# Altium PCB FMC_ADC_128CH_10B.PcbDoc (part 10 of 14) (continued)
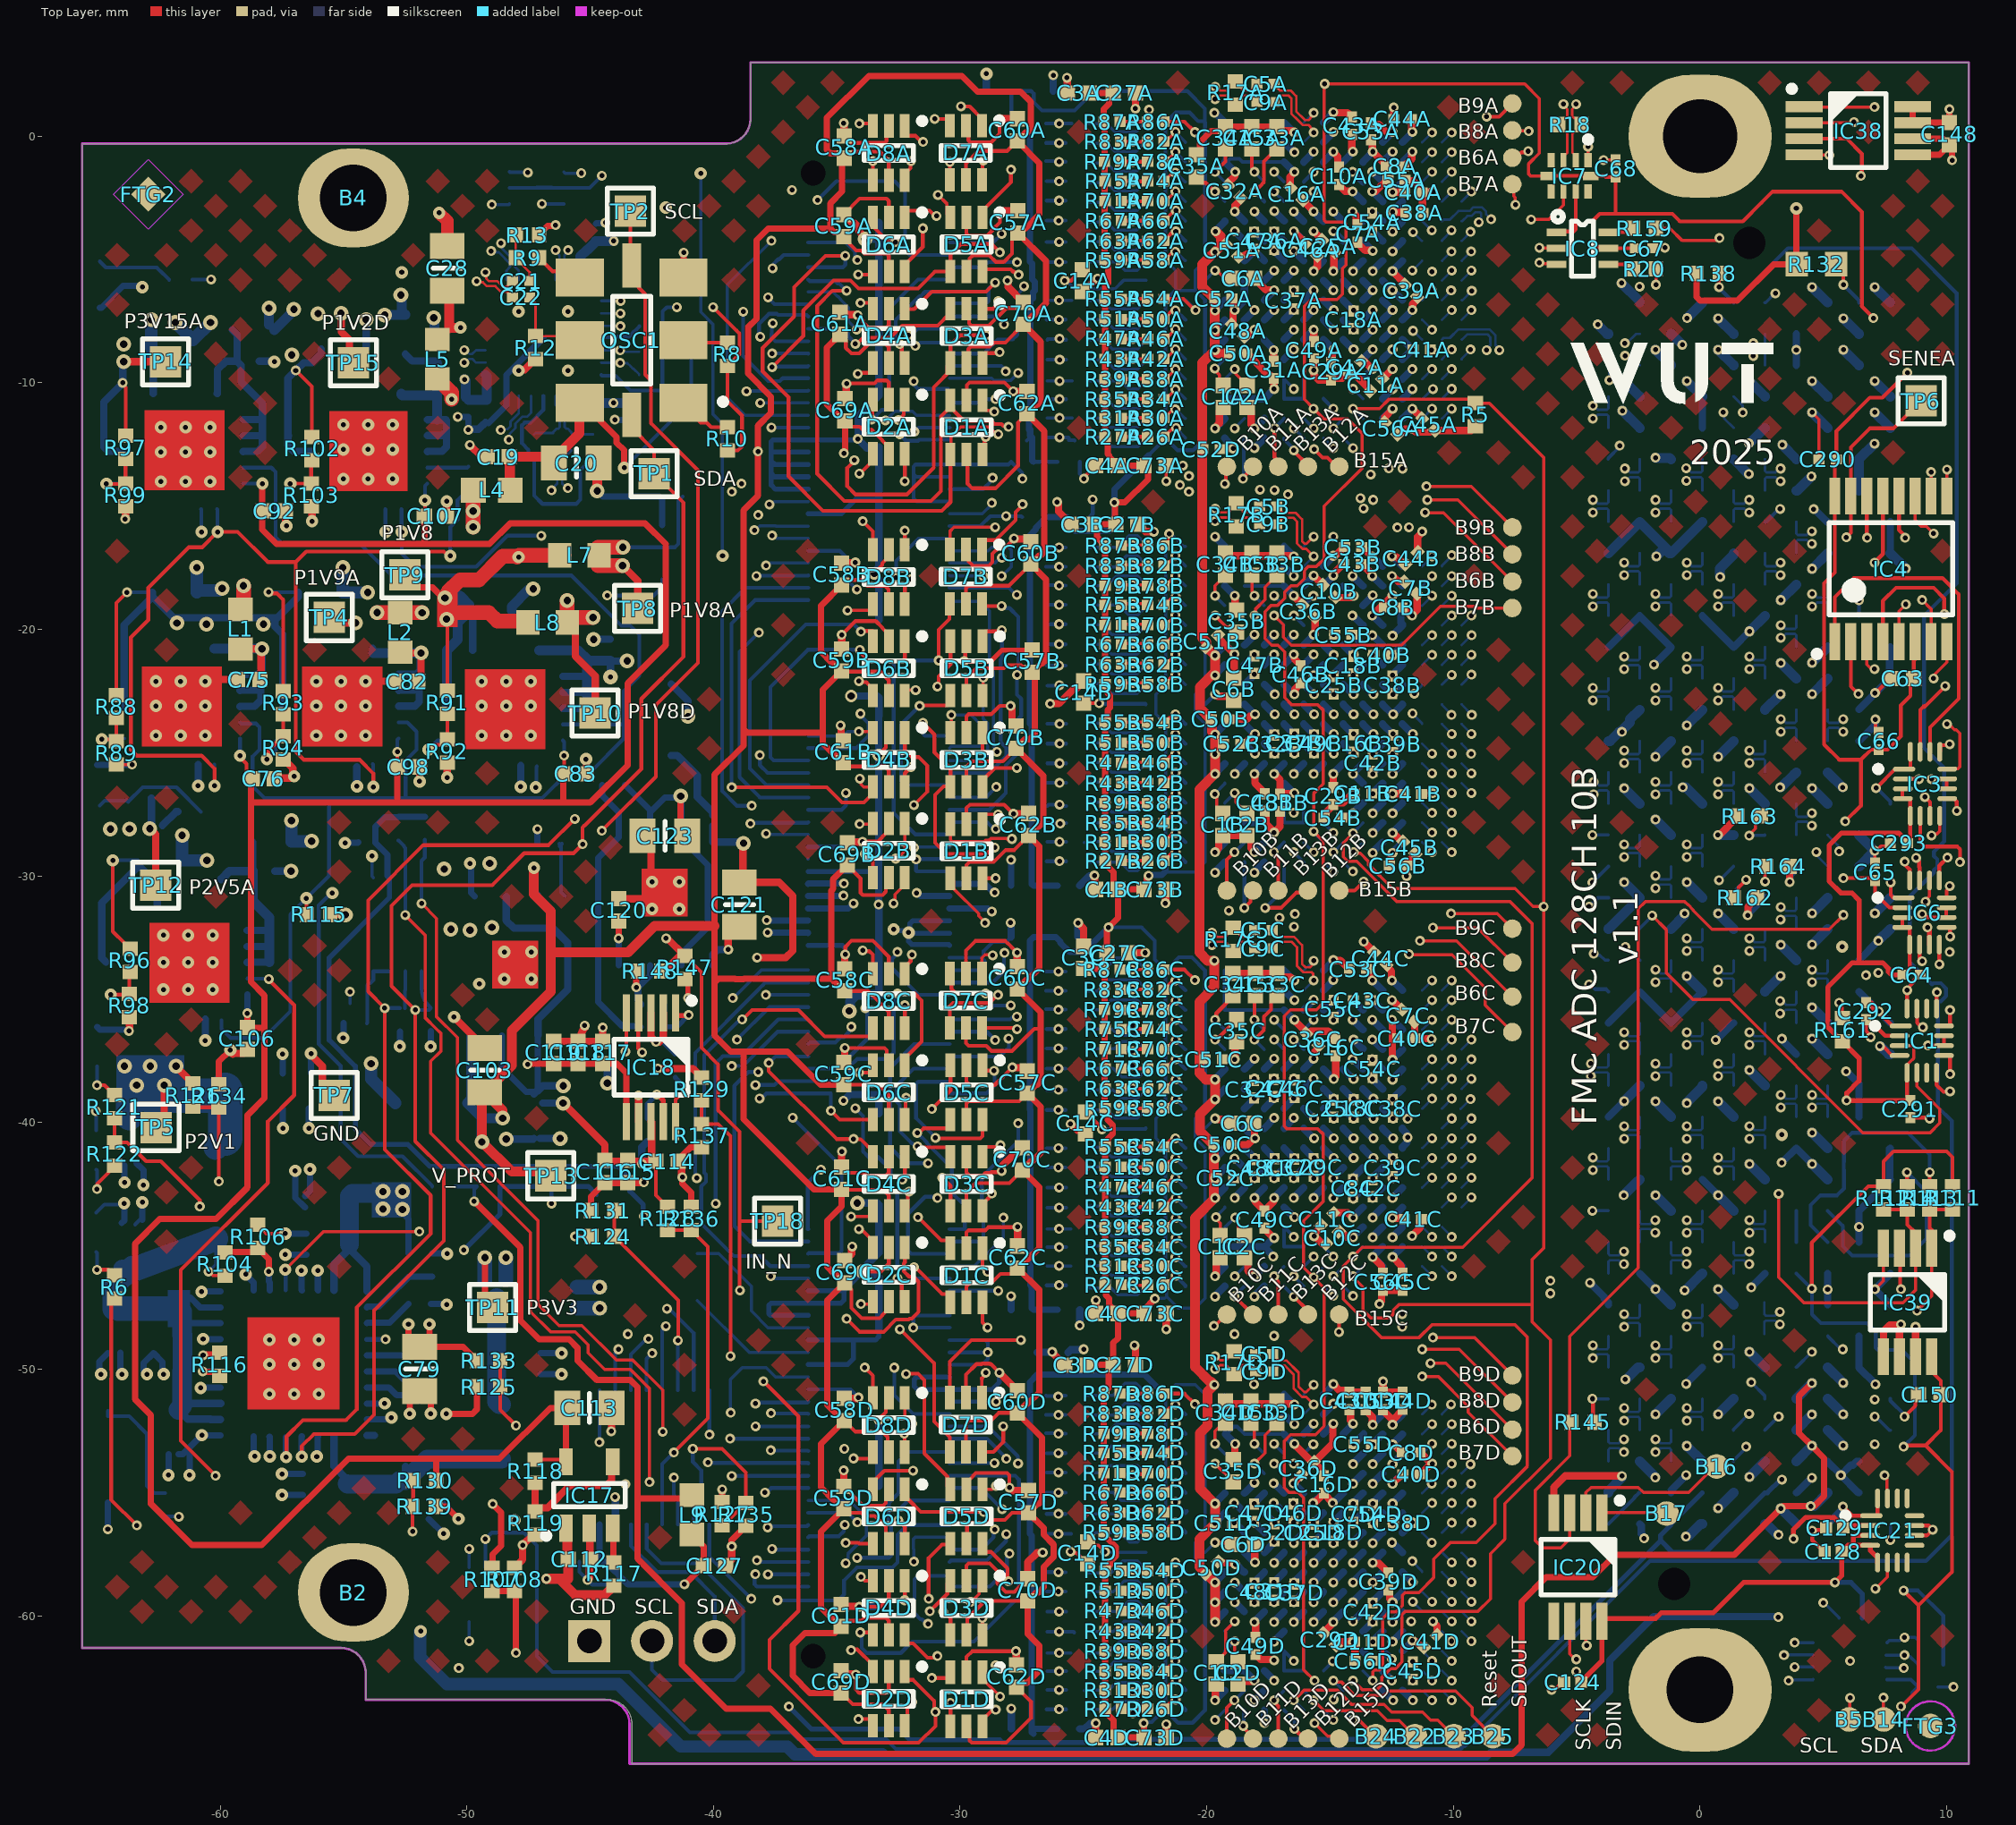
[diagram p0: Top Layer view]
## Nets (pads, with @x,y where several pads share a name; then routed paths per layer and width w, separated by ;. In a path a pad name is that pad's centre, name@x,y a point inside that pad or via, vN(x,y) a via of type N, cw(c..) or ccw(c..) an arc to the next point about the centre after c; other vN are vias at no path point) (continued)
  Int6 (Sign) w0.127: v1(-28.556,-62.005) -27.779,-62.005 -26.858,-61.084 -24.254,-61.084 v1(-23.002,-59.832)
  Bottom Layer w0.152: v1(-40.225,-53.775) -40.205,-53.795 -36.178,-53.795 J1.160@-36.158,-53.815
INP108: D4D.4 J1.161 R48D.1 R49D.1 | length 26
  Top Layer w0.152: v1(-34.05,-60.671) -33.644,-60.671 D4D.4@-33.54,-60.775
  Int3 (Sign) w0.127: v1(-34.05,-60.671) -33.206,-59.828 -33.206,-59.609 -32.415,-58.818 -30.156,-58.818 -29.961,-59.012 v1(-26.011,-59.012)
  Bottom Layer w0.152: v1(-34.05,-60.671) -33.994,-60.727 -33.994,-61.296 -33.786,-61.504 -32.401,-61.504 -31.944,-61.048 -29.435,-61.048 -27.616,-59.229 -27.616,-54.468 -27.769,-54.315 J1.161@-30.428,-54.315 ; R48D.1@-26.489,-59.015 -26.117,-59.015 R49D.1@-25.727,-59.015
INP109: D3D.4 J1.162 R50D.2 R51D.1 | length 25.1
  Top Layer w0.152: v1(-30.686,-59.828) -30.633,-59.828 -30.39,-60.072 D3D.4@-30.39,-60.775 ; R51D.1@-23.481,-58.99 -23.467,-58.976 -23.013,-58.976 v1(-23,-58.963) ; v1@-23,-58.913 -22.937,-58.976 -22.412,-58.976 R50D.2@-22.399,-58.99
  Int1 (Sign) w0.127: v1(-30.686,-59.828) -29.408,-59.828 -29.293,-59.714 -27.241,-59.714 -26.166,-58.638 -23.325,-58.638 v1(-23,-58.963)
  Int4 (Sign) w0.127: v1(-39.258,-54.328) -37.873,-54.328 -34.789,-57.413 -34.473,-57.413 -34.33,-57.27 -33.51,-57.27 -32.365,-58.416 -31.23,-58.416 -30.686,-58.96 v1(-30.686,-59.828)
  Bottom Layer w0.152: v1(-39.258,-54.328) -39.252,-54.322 -36.165,-54.322 J1.162@-36.158,-54.315
INP110: D4D.3 J1.163 R52D.1 R53D.1 | length 21.1
  Top Layer w0.152: v1(-34.017,-58.416) -33.857,-58.575 D4D.3@-33.54,-58.575
  Int3 (Sign) w0.127: v1(-34.017,-58.416) -32.888,-57.287 -31.439,-57.287 -31.054,-57.673 -28.472,-57.673 -27.921,-58.225 v1(-26.011,-58.225)
  Int6 (Sign) w0.127: v1(-34.017,-58.416) -32.686,-57.085 -27.999,-57.085 -27.65,-56.736 -27.65,-56.312 v1(-28.295,-55.668)
  Bottom Layer w0.152: J1.163@-30.428,-54.815 -29.147,-54.815 v1(-28.295,-55.668) ; R52D.1@-26.489,-58.228 -26.487,-58.226 -26.013,-58.226 v1(-26.011,-58.225) ; v1@-26.011,-58.228 R53D.1@-25.727,-58.228
INP111: D3D.3 J1.164 R54D.2 R55D.1 | length 24.7
  Top Layer w0.152: v1(-31.23,-59.813) -30.873,-59.457 -30.514,-59.097 -30.514,-58.699 D3D.3@-30.39,-58.575 ; R55D.1@-23.462,-58.177 -23.444,-58.159 -23.013,-58.159 v1(-22.996,-58.142) ; v1@-22.988,-58.109 -22.938,-58.159 -22.416,-58.159 R54D.2@-22.399,-58.177
  Int4 (Sign) w0.127: v1(-37.912,-54.999) -38.533,-55.62 -38.533,-56.908 -36.943,-58.498 -35.951,-58.498 -34.361,-60.087 -32.955,-60.087 -32.681,-59.813 v1(-31.23,-59.813)
  Int6 (Sign) w0.127: v1@-31.294,-59.813 v1(-31.23,-59.813) -29.365,-57.949 -26.644,-57.949 -26.461,-57.766 -24.768,-57.766 -24.354,-58.18 -23.033,-58.18 v1(-22.996,-58.142)
  Bottom Layer w0.152: v1(-37.912,-54.999) -37.845,-54.999 -37.661,-54.815 J1.164@-36.158,-54.815
INP112: D6D.6 J1.165 R56D.1 R57D.1 | length 11.7
  Top Layer w0.152: v1(-32.503,-56.121) -32.24,-56.385 D6D.6@-32.24,-57.067
  Int3 (Sign) w0.127: v1(-32.503,-56.121) -30.027,-56.121 -29.092,-57.056 -26.807,-57.056 ; -26.807,-57.055 -26.497,-57.055 ; -26.497,-57.056 -26.392,-57.056 v1(-26.011,-56.675)
  Bottom Layer w0.152: v1(-32.503,-56.121) -32.503,-55.717 -32.106,-55.32 -30.433,-55.32 J1.165@-30.428,-55.315 ; R56D.1@-26.489,-56.678 -26.487,-56.677 v1(-26.011,-56.675) ; v1(-26.011,-56.675) -26.009,-56.677 -25.502,-56.677 R57D.1@-25.5,-56.675
INP113: D5D.6 J1.166 R58D.2 R59D.1 | length 22.8
  Top Layer w0.152: D5D.6@-29.09,-57.067 -29.09,-57.283 -28.966,-57.406 -28.751,-57.406 -28.081,-58.076 -28.081,-58.554 v1(-28.033,-58.601) ; R59D.1@-23.512,-56.602 v1(-23.013,-56.602) R58D.2@-22.399,-56.602
  Int3 (Sign) w0.127: v1@-28.033,-58.625 -28.009,-58.601 -25.86,-58.601 -23.863,-56.605 -23.016,-56.605 v1(-23.013,-56.602)
  Int6 (Sign) w0.127: v1(-34.634,-57.867) -34.634,-58.327 -32.269,-60.692 -30.307,-60.692 -29.329,-59.714 -29.146,-59.714 v1(-28.033,-58.601)
  Bottom Layer w0.127: J1.166@-36.158,-55.315 -34.492,-55.315 -33.791,-56.016 -33.791,-56.731 -34.549,-57.489 -34.549,-57.656 -34.582,-57.689 -34.582,-57.815 v1(-34.634,-57.867)
INP114: D6D.1 J1.167 R60D.1 R61D.1 | length 9.2
  Top Layer w0.152: D6D.1@-32.24,-54.867 -32.24,-55.142 -32.116,-55.266 -32.113,-55.266 -31.596,-55.783 v1(-29.042,-55.783)
  Int3 (Sign) w0.127: v1(-29.042,-55.783) -28.707,-55.783 -28.294,-56.196 -26.345,-56.196 v1(-26.011,-55.862)
  Bottom Layer w0.152: J1.167@-30.428,-55.815 -30.412,-55.799 -29.057,-55.799 v1(-29.042,-55.783) ; R60D.1@-26.489,-55.865 R61D.1@-25.727,-55.865
INP115: D5D.1 J1.168 R62D.2 R63D.1 | length 16.3
  Top Layer w0.127: D5D.1@-29.09,-54.867 -28.693,-54.867 -28.618,-54.791 -28.604,-54.791 v1(-28.545,-54.732)
  Top Layer w0.152: R63D.1@-23.462,-55.815 -23.382,-55.735 -23.08,-55.735 v1(-23.033,-55.688) ; v1@-23.033,-55.675 -22.972,-55.735 -22.478,-55.735 R62D.2@-22.399,-55.815
  Int3 (Sign) w0.127: v1(-34.164,-56.208) -32.689,-54.732 v1(-28.545,-54.732)
  Int6 (Sign) w0.127: v1(-28.545,-54.732) -28.24,-54.427 -27.455,-54.427 -26.434,-55.448 -23.345,-55.448 -23.105,-55.688 v1(-23.033,-55.688)
  Bottom Layer w0.152: J1.168@-36.158,-55.815 -34.557,-55.815 v1(-34.164,-56.208)
INP116: D6D.4 J1.169 R64D.1 R65D.1 | length 24.3
  Top Layer w0.152: v1(-34.634,-57.039) -34.114,-57.039 -34.086,-57.067 D6D.4@-33.54,-57.067
  Int3 (Sign) w0.127: v1(-37.4,-59.366) -36.96,-59.366 -34.582,-56.987 -34.273,-56.987 -32.459,-55.173 -28.491,-55.173 -28.489,-55.174 -26.222,-55.174 -26.046,-54.999 v1(-26.011,-54.999)
  Bottom Layer w0.152: v1(-37.4,-59.366) -37.388,-59.378 -34.953,-59.378 -34.703,-59.127 -34.703,-58.556 -34.177,-58.03 -32.737,-58.03 -32.536,-57.829 -32.536,-56.706 -32.145,-56.315 J1.169@-30.428,-56.315 ; R64D.1@-26.489,-55.002 -26.117,-55.002 R65D.1@-25.727,-55.002
INP117: D5D.4 J1.170 R66D.2 R67D.1 | length 23.9
  Top Layer w0.152: v1(-31.274,-59.305) -31.274,-57.651 -30.729,-57.107 -30.43,-57.107 D5D.4@-30.39,-57.067 ; R67D.1@-23.518,-55.002 -23.485,-54.968 -23.074,-54.968 v1(-23.04,-54.934) -23.007,-54.968 -22.433,-54.968 R66D.2@-22.399,-55.002
  Int1 (Sign) w0.127: v1(-31.274,-59.305) -30.788,-59.305 -30.457,-58.975 -27.65,-58.975 -24.938,-56.262 -24.938,-55.449 -24.394,-54.905 -23.07,-54.905 v1(-23.04,-54.934)
  Int4 (Sign) w0.127: v1(-37.806,-56.409) -36.876,-56.409 -34.293,-58.992 -31.586,-58.992 v1(-31.274,-59.305)
  Bottom Layer w0.152: v1(-37.806,-56.409) -37.759,-56.362 -36.205,-56.362 J1.170@-36.158,-56.315
INP118: D6D.3 J1.171 R68D.1 R69D.1 | length 14.9
  Top Layer w0.152: D6D.3@-33.54,-54.867 -33.416,-54.743 -33.416,-54.455 -33.074,-54.113 v1(-31.905,-54.113)
  Int1 (Sign) w0.127: v1(-31.905,-54.113) -31.889,-54.129 -31.889,-57.787 v1(-31.873,-57.803)
  Int3 (Sign) w0.127: v1(-31.905,-54.113) -29.023,-54.113 -28.945,-54.19 -26.015,-54.19 v1(-26.011,-54.186)
  Bottom Layer w0.127: v1(-31.873,-57.803) -31.873,-57.295 -31.895,-57.272 -31.895,-56.889 -31.821,-56.815 J1.171@-30.428,-56.815
  Bottom Layer w0.152: R68D.1@-26.489,-54.189 -26.117,-54.189 R69D.1@-25.726,-54.189
INP119: D5D.3 J1.172 R70D.2 R71D.1 | length 27.3
  Top Layer w0.152: v1(-32.188,-50.189) -32.182,-50.183 -31.708,-50.183 -31.451,-50.44 -31.451,-53.416 -30.514,-54.354 -30.514,-54.743 D5D.3@-30.39,-54.867 ; R71D.1@-23.39,-54.214 -23.353,-54.251 -23.035,-54.251 v1(-22.999,-54.288) ; v1@-23.015,-54.214 -22.978,-54.251 -22.436,-54.251 R70D.2@-22.399,-54.214
  Int1 (Sign) w0.127: v1(-32.188,-50.189) -29.352,-53.025 -25.209,-53.025 -23.946,-54.288 v1(-22.999,-54.288)
  Int4 (Sign) w0.127: v1(-34.677,-56.308) -34.677,-54.805 -35.236,-54.246 -35.236,-52.949 -34.293,-52.006 -33.906,-52.006 -32.188,-50.288 v1(-32.188,-50.189)
  Bottom Layer w0.152: J1.172@-36.158,-56.815 -36.113,-56.77 -34.91,-56.77 -34.714,-56.573 -34.714,-56.344 v1(-34.677,-56.308)
INP120: D8D.6 J1.173 R72D.1 R73D.1 | length 21.5
  Top Layer w0.152: v1(-32.257,-52.617) -32.248,-52.626 -32.248,-53.35 D8D.6@-32.24,-53.359
  Int1 (Sign) w0.127: v1(-32.257,-52.617) -32.257,-53.087 -29.415,-55.929 -29.415,-55.938 -28.883,-56.47 -28.618,-56.47 v1(-28.597,-56.491)
  Int3 (Sign) w0.127: v1(-32.257,-52.617) -31.617,-53.257 -27.97,-53.257 -27.829,-53.399 v1(-26.011,-53.399)
  Int6 (Sign) w0.127: v1(-32.257,-52.617) -32.257,-53.096 -29.164,-56.189 -28.9,-56.189 v1(-28.597,-56.491)
  Bottom Layer w0.152: J1.173@-30.428,-57.315 -29.15,-57.315 -28.644,-56.81 -28.644,-56.539 v1(-28.597,-56.491) ; R72D.1@-26.489,-53.402 -26.117,-53.402 R73D.1@-25.727,-53.402
INP121: D7D.6 J1.174 R74D.2 R75D.1 | length 22.3
  Top Layer w0.152: D7D.6@-29.115,-53.351 -28.647,-53.351 -28.251,-52.955 v1(-28.251,-52.315) ; R75D.1@-23.352,-53.402 -23.316,-53.438 -23.037,-53.438 v1(-23,-53.475) ; v1@-23,-53.402 -22.974,-53.428 -22.886,-53.428 -22.859,-53.402 R74D.2@-22.399,-53.402
  Int3 (Sign) w0.127: v1(-37.625,-57.287) -36.684,-57.287 -33.254,-53.857 -33.254,-52.77 -32.329,-51.845 -29.863,-51.845 -29.393,-52.315 v1(-28.251,-52.315) -27.055,-52.315 -26.978,-52.238 -25.308,-52.238 -24.071,-53.475 v1(-23,-53.475)
  Bottom Layer w0.152: v1@-37.531,-57.315 J1.174@-36.158,-57.315
INP122: D8D.1 J1.175 R76D.1 R77D.1 | length 17.3
  Top Layer w0.127: D8D.1@-32.24,-51.159 -32.24,-51.913 v1(-31.934,-52.218)
  Int6 (Sign) w0.127: v1(-28.124,-56.682) -28.176,-56.63 -28.176,-56.314 -28.668,-55.822 -28.668,-55.484 v1(-31.934,-52.218) -31.641,-51.925 -29.919,-51.925 -29.032,-52.813 -27.421,-52.813 -27.22,-52.611 v1(-26.011,-52.611)
  Bottom Layer w0.152: J1.175@-30.428,-57.815 -30.367,-57.754 -28.922,-57.754 -28.138,-56.97 -28.138,-56.696 v1(-28.124,-56.682) ; R76D.1@-26.514,-52.589 v1@-26.143,-52.589 ; v1@-26.011,-52.614 R77D.1@-25.727,-52.614
INP123: D7D.1 J1.176 R78D.2 R79D.1 | length 26.7
  Top Layer w0.127: D7D.1@-29.115,-51.151 -29.115,-50.391
  Top Layer w0.152: -29.115,-50.391 -29.115,-50.36 -29.077,-50.322 ; R79D.1@-23.359,-52.614 R79D.1@-23.359,-52.601 ; R79D.1@-23.358,-52.601 -23.037,-52.601 v1(-23.024,-52.588) ; v1@-23.024,-52.567 -22.99,-52.601 -22.412,-52.601 R78D.2@-22.399,-52.614
  Int3 (Sign) w0.127: v1(-38.24,-57.747) -38.24,-56.316 -35.2,-53.275 -35.2,-50.341 -34.083,-49.225 -32.23,-49.225 -31.319,-50.136 v1(-28.962,-50.136) -28.589,-50.509 -25.792,-50.509 -23.684,-52.617 -23.054,-52.617 v1(-23.024,-52.588)
  Bottom Layer w0.152: v1(-38.24,-57.747) -38.173,-57.747 -38.105,-57.815 J1.176@-36.158,-57.815
INP124: D8D.4 J1.177 R80D.1 R81D.1 | length 24.8
  Top Layer w0.152: v1(-34.322,-53.615) -34.322,-53.629 -33.54,-53.629 D8D.4@-33.54,-53.359
  Int3 (Sign) w0.127: v1(-34.322,-53.615) -34.319,-53.613 -34.319,-52.406 -33.229,-51.315 -29.737,-51.315 -29.202,-51.849 v1(-26.011,-51.849)
  Int4 (Sign) w0.127: v1(-34.322,-53.615) -30.313,-57.624 -30.313,-59.983 -30.648,-60.319 v1(-31.297,-60.319)
  Bottom Layer w0.152: v1(-31.297,-60.319) -31.364,-60.319 -31.547,-60.135 -31.612,-60.135 -31.853,-59.894 -31.853,-58.518 -31.751,-58.416 -31.687,-58.416 -31.649,-58.378 -30.491,-58.378 J1.177@-30.428,-58.315 ; R80D.1@-26.514,-51.852 -26.143,-51.852 R81D.1@-25.727,-51.852
INP125: D7D.4 J1.178 R82D.2 R83D.1 | length 35
  Top Layer w0.152: v1@-32.444,-48.358 -31.047,-49.755 -31.047,-52.118 -30.415,-52.75 D7D.4@-30.415,-53.351 ; R83D.1@-23.486,-51.802 v1(-23.018,-51.803) ; v1@-23.017,-51.802 R82D.2@-22.399,-51.801
  Int1 (Sign) w0.127: v1(-37.789,-58.316) -37.809,-58.296 -37.809,-57.65 -38.397,-57.062 -38.397,-53.398 -38.508,-53.287 -38.508,-53.284 -38.792,-53 -38.792,-50.286 -37.152,-48.646 -32.716,-48.646 v1(-32.444,-48.374)
  Int3 (Sign) w0.127: v1(-32.444,-48.374) -31.096,-49.723 -28.156,-49.723 -27.761,-50.117 -24.703,-50.117 v1(-23.018,-51.803)
  Bottom Layer w0.152: v1@-37.789,-58.315 J1.178@-36.158,-58.315
INP126: D8D.3 J1.179 R84D.1 R85D.1 | length 24.7
  Top Layer w0.152: v1(-33.864,-49.932) -33.54,-50.257 D8D.3@-33.54,-51.159
  Int1 (Sign) w0.127: v1(-33.864,-49.932) -33.847,-49.95 -33.306,-49.95 -30.305,-52.951 -30.305,-53.858 -29.057,-55.106 -28.328,-55.106 -27.75,-55.683 -27.75,-57.017 -27.957,-57.223 -27.957,-57.431 v1(-28.002,-57.476)
  Int3 (Sign) w0.127: v1(-33.864,-49.932) -33.011,-50.785 -27.746,-50.785 -27.47,-51.062 -26.071,-51.062 v1(-26.022,-51.111)
  Bottom Layer w0.152: J1.179@-30.428,-58.815 -28.793,-58.815 -28.193,-58.215 -28.189,-58.215 -28.1,-58.126 -28.1,-57.641 -28.002,-57.543 v1(-28.002,-57.476) ; R84D.1@-26.514,-51.065 -26.491,-51.088 -26.045,-51.088 v1(-26.022,-51.111) ; v1@-26.022,-51.065 R85D.1@-25.727,-51.065
INP127: D7D.3 J1.180 R86D.2 R87D.1 | length 32.9
  Top Layer w0.152: D7D.3@-30.415,-51.151 -30.415,-49.688 -29.542,-48.815 v1(-27.54,-48.815) ; R87D.1@-23.512,-50.989 R86D.2@-22.399,-50.989
  Int3 (Sign) w0.127: v1(-38.299,-58.308) -38.738,-57.87 -38.738,-55.119 -35.719,-52.101 -35.719,-50.254 -33.599,-48.134 -33.416,-47.951 -31.304,-47.951 -30.55,-48.705 -27.649,-48.705 v1(-27.54,-48.815) -26.684,-49.671 -24.67,-49.671 -23.349,-50.992 v1(-23.018,-50.992)
  Bottom Layer w0.152: v1(-38.299,-58.308) -38.33,-58.339 -38.33,-58.726 -38.241,-58.815 J1.180@-36.158,-58.815
NetB6A_1: B6A.1 U1A.J5 | length 10.7
  Top Layer w0.152: B6A.1@-7.612,-0.87 -7.45,-0.87 -7.227,-0.647 -7.007,-0.647 v1(-6.965,-0.605)
  Int1 (Sign) w0.127: v1(-15.666,-2.244) -14.616,-2.244 -14.244,-1.872 -9.552,-1.872 -8.285,-0.605 v1(-6.965,-0.605)
  Bottom Layer w0.152: U1A.J5@-16.067,-2.645 v1(-15.666,-2.244)
NetB6B_1: B6B.1 U1B.J5 | length 13.6
  Top Layer w0.127: v1(-11.146,-15.254) -11.129,-15.271 -10.399,-15.271 B6B.1@-7.612,-18.058
  Int3 (Sign) w0.127: v1(-16.467,-19.434) -16.454,-19.42 -14.991,-19.42 -14.631,-19.06 -13.943,-19.06 -13.671,-18.789 -13.671,-16.645 -12.298,-15.271 -11.162,-15.271 v1(-11.146,-15.254)
  Bottom Layer w0.127: v1(-16.467,-19.434) U1B.J5@-16.067,-19.834
NetB6C_1: B6C.1 U1C.J5 | length 13.1
  Top Layer w0.127: v1(-11.355,-32.624) -9.88,-32.624 B6C.1@-7.612,-34.893
  Int3 (Sign) w0.127: v1(-16.467,-36.63) -16.431,-36.594 -14.759,-36.594 -14.421,-36.256 -13.988,-36.256 -13.672,-35.94 -13.672,-34.053 -12.243,-32.624 v1(-11.355,-32.624)
  Bottom Layer w0.127: v1(-16.467,-36.63) U1C.J5@-16.067,-37.03
NetB6D_1: B6D.1 U1D.J5 | length 13
  Top Layer w0.127: v1(-10.926,-49.755) -10.307,-49.755 B6D.1@-7.612,-52.45
  Int3 (Sign) w0.127: v1(-16.467,-53.825) -16.456,-53.836 -14.997,-53.836 -14.635,-53.474 -13.716,-53.474 -13.641,-53.399 -13.641,-52.093 -11.317,-49.769 -10.941,-49.769 v1(-10.926,-49.755)
  Bottom Layer w0.127: v1(-16.467,-53.825) U1D.J5@-16.067,-54.225
NetB7A_1: B7A.1 U1A.H5 | length 11.5
  Top Layer w0.127: B7A.1@-7.612,-1.944 -7.552,-2.004 -7.552,-2.43 -7.495,-2.488 -7.495,-2.768 v1(-7.486,-2.777)
  Int1 (Sign) w0.127: v1(-17.267,-2.245) -16.895,-2.617 -14.99,-2.617 -14.966,-2.641 -12.365,-2.641 -12.23,-2.777 v1(-7.486,-2.777)
  Bottom Layer w0.127: v1(-17.267,-2.245) U1A.H5@-16.867,-2.645
NetB7B_1: B7B.1 U1B.H5 | length 11.7
  Top Layer w0.127: v1(-17.267,-19.434) -16.894,-19.807 -16.894,-20.313 -16.569,-20.638 -12.104,-20.638 -10.527,-19.06 -9.112,-19.06 -9.04,-19.133 B7B.1@-7.612,-19.133
  Bottom Layer w0.127: v1(-17.267,-19.434) U1B.H5@-16.867,-19.834
NetB7C_1: B7C.1 U1C.H5 | length 15.2
  Top Layer w0.127: v1(-11.803,-33.171) -11.78,-33.194 -10.049,-33.194 -8.709,-34.534 -8.709,-35.231 B7C.1@-7.612,-36.328
  Int3 (Sign) w0.127: v1(-17.267,-36.63) -16.894,-37.003 -13.738,-37.003 -13.135,-37.003 -12.863,-36.731 -12.863,-34.075 -12.195,-33.407 -12.057,-33.268 -11.975,-33.268 -11.877,-33.171 v1(-11.803,-33.171)
  Bottom Layer w0.127: v1(-17.267,-36.63) U1C.H5@-16.867,-37.03
NetB7D_1: B7D.1 U1D.H5 | length 14.7
  Top Layer w0.127: v1(-11.264,-50.288) -10.619,-50.288 -9.395,-51.512 -9.395,-51.741 B7D.1@-7.612,-53.524
  Int3 (Sign) w0.127: v1(-17.267,-53.825) -16.871,-54.221 -13.112,-54.221 -12.863,-53.972 -12.863,-51.887 v1(-11.264,-50.288)
  Bottom Layer w0.127: v1(-17.267,-53.825) U1D.H5@-16.867,-54.225
NetB8A_1: B8A.1 U1A.H4 | length 12.6
  Top Layer w0.127: B8A.1@-7.612,0.24 -7.593,0.221 -6.964,0.221 v1(-6.946,0.203)
  Int1 (Sign) w0.127: v1(-17.267,-1.445) -16.888,-1.824 -15.518,-1.824 -15.006,-1.312 -14.485,-1.312 -14.215,-1.043 -9.752,-1.043 -8.506,0.203 v1(-6.946,0.203)
  Bottom Layer w0.127: v1(-17.267,-1.445) U1A.H4@-16.867,-1.845
NetB8B_1: B8B.1 U1B.H4 | length 14.1
  Top Layer w0.127: v1(-11.054,-14.744) -9.816,-14.744 B8B.1@-7.612,-16.949
  Int3 (Sign) w0.127: v1(-17.267,-18.634) -16.888,-19.013 -15.251,-19.013 -14.463,-18.226 -14.463,-16.523 -12.684,-14.744 v1(-11.054,-14.744)
  Bottom Layer w0.127: v1(-17.267,-18.634) U1B.H4@-16.867,-19.034
NetB8C_1: B8C.1 U1C.H4 | length 13.8
  Top Layer w0.127: v1(-10.833,-32.094) -9.021,-32.094 B8C.1@-7.612,-33.503
  Int3 (Sign) w0.127: v1(-17.267,-35.83) -16.886,-36.21 -14.711,-36.21 -14.463,-35.963 -14.463,-34.016 -12.541,-32.094 v1(-10.833,-32.094)
  Bottom Layer w0.127: v1(-17.267,-35.83) U1C.H4@-16.867,-36.23
NetB8D_1: B8D.1 U1D.H4 | length 14.4
  Top Layer w0.127: v1(-11.267,-49.189) -9.763,-49.189 B8D.1@-7.612,-51.341
  Int3 (Sign) w0.127: v1(-17.267,-53.025) -16.883,-53.41 -15.062,-53.41 -14.441,-52.788 -14.441,-50.487 -13.143,-49.189 v1(-11.267,-49.189)
  Bottom Layer w0.127: v1(-17.267,-53.025) U1D.H4@-16.867,-53.425
NetB9A_1: B9A.1 U1A.J4 | length 10.1
  Top Layer w0.152: v1(-8.649,0.793) -8.148,0.793 B9A.1@-7.612,1.329
  Int1 (Sign) w0.127: v1(-15.666,-1.444) -15.294,-1.072 -15.294,-0.521 -14.969,-0.196 -14.554,-0.196 -13.564,0.793 -12.577,0.793 ; -12.576,0.793 -12.267,0.793 ; -12.266,0.793 v1(-8.649,0.793)
  Bottom Layer w0.152: U1A.J4@-16.067,-1.845 v1(-15.666,-1.444)
NetB9B_1: B9B.1 U1B.J4 | length 12.7
  Top Layer w0.127: v1(-11.092,-14.195) -9.276,-14.195 B9B.1@-7.612,-15.859
  Int3 (Sign) w0.127: v1(-15.678,-18.64) -15.294,-18.255 -15.294,-15.676 -13.813,-14.195 v1(-11.092,-14.195)
  Bottom Layer w0.152: U1B.J4@-16.067,-19.034 -15.678,-18.645 v1(-15.678,-18.64)
NetB9C_1: B9C.1 U1C.J4 | length 12.1
  Top Layer w0.127: v1(-10.099,-31.517) -8.226,-31.517 B9C.1@-7.612,-32.132
  Int3 (Sign) w0.127: v1(-15.667,-35.83) -15.252,-35.415 -15.252,-33.027 -13.743,-31.517 v1(-10.099,-31.517)
  Bottom Layer w0.127: U1C.J4@-16.067,-36.23 v1(-15.667,-35.83)
NetB9D_1: B9D.1 U1D.J4 | length 12.4
  Top Layer w0.127: v1(-10.833,-48.71) -9.152,-48.71 B9D.1@-7.612,-50.251
  Int3 (Sign) w0.127: v1(-15.678,-53.036) -15.258,-52.616 -15.258,-50.301 -13.667,-48.71 v1(-10.833,-48.71)
  Bottom Layer w0.152: U1D.J4@-16.067,-53.425 v1(-15.678,-53.036)
NetB10A_1: B10A.1 U1A.F16 | length 4.1
  Top Layer w0.152: v1(-19.267,-14.092) -19.227,-14.051 -19.227,-13.437 B10A.1@-19.187,-13.397
  Int1 (Sign) w0.152: v1(-19.267,-14.092) -19.683,-13.676 -19.683,-12.661 v1(-18.867,-11.845)
  Bottom Layer w0.127: v1(-18.867,-11.845) U1A.F16@-18.467,-11.445
NetB10B_1: B10B.1 U1B.F16 | length 2.3
  Top Layer w0.152: B10B.1@-19.187,-30.586 -19.187,-29.336 v1(-18.878,-29.028)
  Bottom Layer w0.152: v1(-18.878,-29.028) -18.862,-29.028 U1B.F16@-18.467,-28.634
NetB10C_1: B10C.1 U1C.F16 | length 4.2
  Top Layer w0.127: v1(-19.706,-48.244) -19.678,-48.244 -19.215,-47.781 B10C.1@-19.187,-47.781
  Int1 (Sign) w0.127: v1(-19.706,-48.244) -20.041,-47.909 -20.041,-46.897 -19.747,-46.603 -19.241,-46.603 v1(-18.867,-46.23)
  Bottom Layer w0.127: v1(-18.867,-46.23) U1C.F16@-18.467,-45.83
NetB10D_1: B10D.1 U1D.F16 | length 2.3
  Top Layer w0.152: B10D.1@-19.187,-64.977 -19.187,-63.728 v1(-18.878,-63.42)
  Bottom Layer w0.152: v1(-18.878,-63.42) -18.862,-63.42 U1D.F16@-18.467,-63.025
NetB11A_1: B11A.1 U1A.F17 | length 2.3
  Top Layer w0.152: v1(-18.532,-13.89) -18.532,-13.846 -18.127,-13.441 B11A.1@-18.127,-13.397
  Bottom Layer w0.152: v1(-18.532,-13.89) -18.499,-13.858 -18.499,-12.277 U1A.F17@-18.467,-12.245
NetB11B_1: B11B.1 U1B.F17 | length 2.7
  Top Layer w0.152: v1(-18.472,-31.289) -18.222,-31.039 -18.222,-30.681 B11B.1@-18.127,-30.586
  Bottom Layer w0.152: v1(-18.472,-31.289) -18.472,-29.439 U1B.F17@-18.467,-29.434
NetB11C_1: B11C.1 U1C.F17 | length 1.6
  Top Layer w0.152: v1(-18.873,-47.035) B11C.1@-18.127,-47.781
  Bottom Layer w0.152: v1(-18.873,-47.035) U1C.F17@-18.467,-46.63
NetB11D_1: B11D.1 U1D.F17 | length 1.3
  Top Layer w0.152: v1(-18.519,-64.463) -18.519,-64.524 -18.127,-64.916 B11D.1@-18.127,-64.977
  Bottom Layer w0.152: v1(-18.519,-64.463) -18.493,-64.437 -18.493,-63.851 U1D.F17@-18.467,-63.825
NetB12A_1: B12A.1 U1A.H17 | length 1.6
  Top Layer w0.152: v1(-16.467,-12.732) -16.467,-12.779 -15.897,-13.349 B12A.1@-15.897,-13.397
  Bottom Layer w0.152: U1A.H17@-16.867,-12.245 -16.867,-12.288 -16.467,-12.688 v1(-16.467,-12.732)
NetB12B_1: B12B.1 U1B.H17 | length 4.2
  Top Layer w0.152: v1(-17.629,-31.289) -16.986,-31.289 -16.365,-30.667 -15.979,-30.667 B12B.1@-15.897,-30.586
  Bottom Layer w0.152: v1(-17.629,-31.289) -16.867,-30.527 U1B.H17@-16.867,-29.434
NetB12C_1: B12C.1 U1C.H17 | length 1.6
  Top Layer w0.152: v1(-16.467,-47.052) -15.897,-47.622 B12C.1@-15.897,-47.781
  Bottom Layer w0.152: U1C.H17@-16.867,-46.63 -16.867,-46.641 -16.467,-47.041 v1(-16.467,-47.052)
NetB12D_1: B12D.1 U1D.H17 | length 1.6
  Top Layer w0.152: v1(-16.44,-64.588) -16.051,-64.977 B12D.1@-15.897,-64.977
  Bottom Layer w0.152: U1D.H17@-16.867,-63.825 -16.44,-64.253 v1(-16.44,-64.588)
NetB13A_1: B13A.1 U1A.H16 | length 2.2
  Top Layer w0.152: v1(-17.253,-11.831) -17.253,-13.009 -17.216,-13.046 -17.216,-13.283 B13A.1@-17.102,-13.397
  Bottom Layer w0.152: v1(-17.253,-11.831) U1A.H16@-16.867,-11.445
NetB13B_1: B13B.1 U1B.H16 | length 2.2
  Top Layer w0.152: v1(-17.278,-29.028) -17.278,-29.065 -17.102,-29.241 B13B.1@-17.102,-30.586
  Bottom Layer w0.152: v1(-17.278,-29.028) -17.262,-29.028 U1B.H16@-16.867,-28.634
NetB13C_1: B13C.1 U1C.H16 | length 2.2
  Top Layer w0.152: v1@-17.262,-46.224 -17.278,-46.241 -17.278,-46.275 -17.102,-46.452 B13C.1@-17.102,-47.781
  Bottom Layer w0.127: v1(-17.267,-46.23) U1C.H16@-16.867,-45.83
NetB13D_1: B13D.1 U1D.H16 | length 2.2
  Top Layer w0.152: v1(-17.267,-63.425) -17.267,-63.492 -17.102,-63.658 B13D.1@-17.102,-64.977
  Bottom Layer w0.127: v1(-17.267,-63.425) U1D.H16@-16.867,-63.025
NetB15A_1: B15A.1 U1A.H14 U1A.H15 U1A.J14 U1A.J15 | length 7.1
  Top Layer w0.152: v1(-15.645,-12.688) -15.307,-13.026 -15.109,-13.026 -14.738,-13.397 B15A.1@-14.627,-13.397
  Int4 (Sign) w0.152: v1(-16.467,-10.245) -16.056,-10.656 -16.056,-12.277 v1(-15.645,-12.688)
  Bottom Layer w0.127: U1A.H14@-16.867,-9.845 v1(-16.467,-10.245)
  Bottom Layer w0.152: U1A.H14@-16.867,-9.845 U1A.H15@-16.867,-10.645 U1A.J15@-16.067,-10.645 U1A.J14@-16.067,-9.845
NetB15B_1: B15B.1 U1B.H14 U1B.H15 U1B.J14 U1B.J15 | length 8.8
  Top Layer w0.152: B15B.1@-14.627,-30.586 -14.007,-30.586 v1(-13.643,-30.222)
  Int4 (Sign) w0.152: v1(-16.467,-27.434) -16.467,-27.935 -15.755,-28.648 -14.707,-28.648 -14.453,-28.902 -14.453,-29.166 -14.199,-29.42 -13.918,-29.42 -13.643,-29.695 v1(-13.643,-30.222)
  Bottom Layer w0.127: U1B.H14@-16.867,-27.034 v1(-16.467,-27.434)
  Bottom Layer w0.152: U1B.H14@-16.867,-27.034 U1B.H15@-16.867,-27.834 U1B.J15@-16.067,-27.834 U1B.J14@-16.067,-27.034
NetB15C_1: B15C.1 U1C.H14 U1C.H15 U1C.J14 U1C.J15 | length 8.3
  Top Layer w0.152: v1(-14.637,-48.485) -14.637,-47.791 B15C.1@-14.627,-47.781
  Int4 (Sign) w0.152: v1(-16.467,-44.63) -16.078,-45.019 -16.078,-46.541 -14.637,-47.982 v1(-14.637,-48.485)
  Bottom Layer w0.127: U1C.H14@-16.867,-44.23 v1(-16.467,-44.63)
  Bottom Layer w0.152: U1C.H14@-16.867,-44.23 U1C.H15@-16.867,-45.03 U1C.J15@-16.067,-45.03 U1C.J14@-16.067,-44.23
NetB15D_1: B15D.1 U1D.H14 U1D.H15 U1D.J14 U1D.J15 | length 7.1
  Top Layer w0.127: v1(-15.627,-64.348) -15.094,-64.881 -14.722,-64.881 B15D.1@-14.627,-64.977
  Int3 (Sign) w0.127: v1(-16.467,-61.825) -16.041,-62.252 -16.041,-63.934 v1(-15.627,-64.348)
  Bottom Layer w0.127: U1D.H14@-16.867,-61.425 v1(-16.467,-61.825)
  Bottom Layer w0.152: U1D.H14@-16.867,-61.425 U1D.H15@-16.867,-62.225 U1D.J15@-16.067,-62.225 U1D.J14@-16.067,-61.425
NetB16_1: B16.1 IC20.2 | length 6.7
  Top Layer w0.127: IC20.2@-4.628,-55.818 -4.628,-55.001 -4.419,-54.791 -2.502,-54.791 -2.295,-54.999 -0.465,-54.999 0.596,-53.938 B16.1@0.671,-53.938
NetB17_1: B17.1 IC20.1 | length 2.6
  Top Layer w0.127: IC20.1@-3.978,-55.818 -1.394,-55.818 B17.1@-1.359,-55.853
NetC1A_2: C1A.2 U1A.E13 | length 1.4
  Top Layer w0.127: v1(-19.673,-9.413) -19.673,-9.487 -19.485,-9.675 -19.485,-9.944 C1A.2@-19.328,-10.101
  Bottom Layer w0.127: v1(-19.673,-9.413) -19.654,-9.413 -19.286,-9.045 U1A.E13@-19.267,-9.045
NetC1B_2: C1B.2 U1B.E13 | length 1.5
  Top Layer w0.127: v1(-19.669,-26.676) -19.669,-26.75 -19.604,-26.816 -19.604,-27.214 C1B.2@-19.357,-27.461
  Bottom Layer w0.127: v1(-19.669,-26.676) -19.669,-26.656 -19.267,-26.254 U1B.E13@-19.267,-26.234
NetC1C_2: C1C.2 U1C.E13 | length 1.4
  Top Layer w0.127: v1(-19.627,-43.834) -19.627,-43.906 -19.457,-44.076 C1C.2@-19.457,-44.577
  Bottom Layer w0.127: v1(-19.627,-43.834) -19.627,-43.812 -19.267,-43.452 U1C.E13@-19.267,-43.43
NetC1D_2: C1D.2 U1D.E13 | length 2.5
  Top Layer w0.127: C1D.2@-19.612,-61.859 -19.241,-61.488 -19.241,-60.599 v1(-18.867,-60.225)
  Bottom Layer w0.127: U1D.E13@-19.267,-60.625 v1(-18.867,-60.225)
NetC2A_2: C2A.2 U1A.E14 | length 1.4
  Top Layer w0.127: v1(-18.867,-9.445) -18.815,-9.497 -18.815,-9.647 C2A.2@-18.361,-10.101
  Bottom Layer w0.127: U1A.E14@-19.267,-9.845 v1(-18.867,-9.445)
NetC2B_2: C2B.2 U1B.E14 | length 1.6
  Top Layer w0.127: v1(-18.867,-26.634) -18.815,-26.686 -18.815,-27.013 C2B.2@-18.367,-27.461
  Bottom Layer w0.127: U1B.E14@-19.267,-27.034 v1(-18.867,-26.634)
NetC2C_2: C2C.2 U1C.E14 | length 1.5
  Top Layer w0.127: v1(-18.849,-43.855) -18.849,-43.929 -18.719,-44.06 -18.719,-44.33 C2C.2@-18.472,-44.577
  Bottom Layer w0.127: U1C.E14@-19.267,-44.23 -19.246,-44.23 -18.871,-43.855 v1(-18.849,-43.855)
NetC2D_2: C2D.2 U1D.E14 | length 1.5
  Top Layer w0.127: v1(-18.867,-61.025) -18.867,-61.72 C2D.2@-18.727,-61.859
  Bottom Layer w0.127: U1D.E14@-19.267,-61.425 v1(-18.867,-61.025)
NetC6A_2: C6A.2 U1A.D9 | length 1.4
  Top Layer w0.127: v1(-19.667,-5.445) -19.593,-5.445 -19.4,-5.639 -19.096,-5.639 C6A.2@-18.974,-5.762
  Bottom Layer w0.127: U1A.D9@-20.067,-5.845 v1(-19.667,-5.445)
NetC6B_2: C6B.2 U1B.D9 | length 1.4
  Top Layer w0.3: v1(-19.666,-22.634) -19.639,-22.634 -19.562,-22.711 -19.066,-22.711 C6B.2@-18.906,-22.871
  Bottom Layer w0.152: U1B.D9@-20.067,-23.034 v1(-19.666,-22.634)
NetC6C_2: C6C.2 U1C.D9 | length 1.3
  Top Layer w0.3: v1(-19.667,-39.83) -19.64,-39.83 -19.603,-39.866 -19.153,-39.866 C6C.2@-18.993,-40.026
  Bottom Layer w0.127: U1C.D9@-20.067,-40.23 v1(-19.667,-39.83)
NetC6D_2: C6D.2 U1D.D9 | length 1.3
  Top Layer w0.152: v1(-19.667,-57.025) -19.05,-57.025 C6D.2@-18.969,-57.107
  Bottom Layer w0.127: U1D.D9@-20.067,-57.425 v1(-19.667,-57.025)
NetC12_2: C12.2 C13.2 C17.2 C28.2 C30.2 IC5.8 IC5.15 IC5.28 L5.1 | length 9.4
  Top Layer w0.4: C28.2@-50.788,-6.257 -50.719,-6.326 -50.719,-7.788 -50.702,-7.771 -50.275,-7.771 v2(-50.256,-7.752)
  Int6 (Sign) w0.4: v1@-44.177,-4.248 v1(-44.04,-4.248)
  Bottom Layer w0.4: v1(-50.089,-9.864) -50.042,-9.911 -50.042,-10.578 C12.2@-49.938,-10.681 -49.195,-10.681 -49.195,-9.727 IC5.15@-49.244,-9.679 ; IC5.28@-45.394,-5.828 -45.394,-4.875 -45.111,-4.592 -45.086,-4.592 -44.774,-4.281 C13.2@-44.774,-4.256 -44.048,-4.256 v1(-44.04,-4.248) ; IC5.8@-45.344,-10.81 v1(-44.048,-10.81) ; v1@-44.036,-10.822 C30.2@-43.319,-10.822
NetC14A_2: C14A.2 U1A.A9 | length 4.5
  Top Layer w0.152: v1(-25.756,-5.855) -25.493,-5.855 C14A.2@-25.043,-5.405
  Bottom Layer w0.127: v1(-25.756,-5.855) -25.686,-5.855 -25.354,-6.188 -23.719,-6.188 -23.377,-5.845 U1A.A9@-22.467,-5.845
NetC14B_2: C14B.2 U1B.A9 | length 2.5
  Top Layer w0.152: C14B.2@-24.99,-22.991 v1(-24.365,-22.991)
  Bottom Layer w0.152: v1(-24.365,-22.991) -24.343,-23.012 -22.489,-23.012 U1B.A9@-22.467,-23.034
NetC14C_2: C14C.2 U1C.A9 | length 2.8
  Top Layer w0.152: C14C.2@-24.922,-39.561 -24.256,-40.227 v1(-24.256,-40.274)
  Bottom Layer w0.152: v1(-24.256,-40.274) -24.234,-40.252 -22.49,-40.252 U1C.A9@-22.467,-40.23